# Altium PCB PCB1.PcbDoc
Units mil, origin at the board's own origin, x right, y up, seen from the top; angles counter-clockwise.
Board outline 5905.51 x 7874.02 mil, 2 copper layers (Top Layer, Bottom Layer); 186 components, 103 nets, 559 pads, 0 vias.
Unrouted connection lines stored in the file: 329.
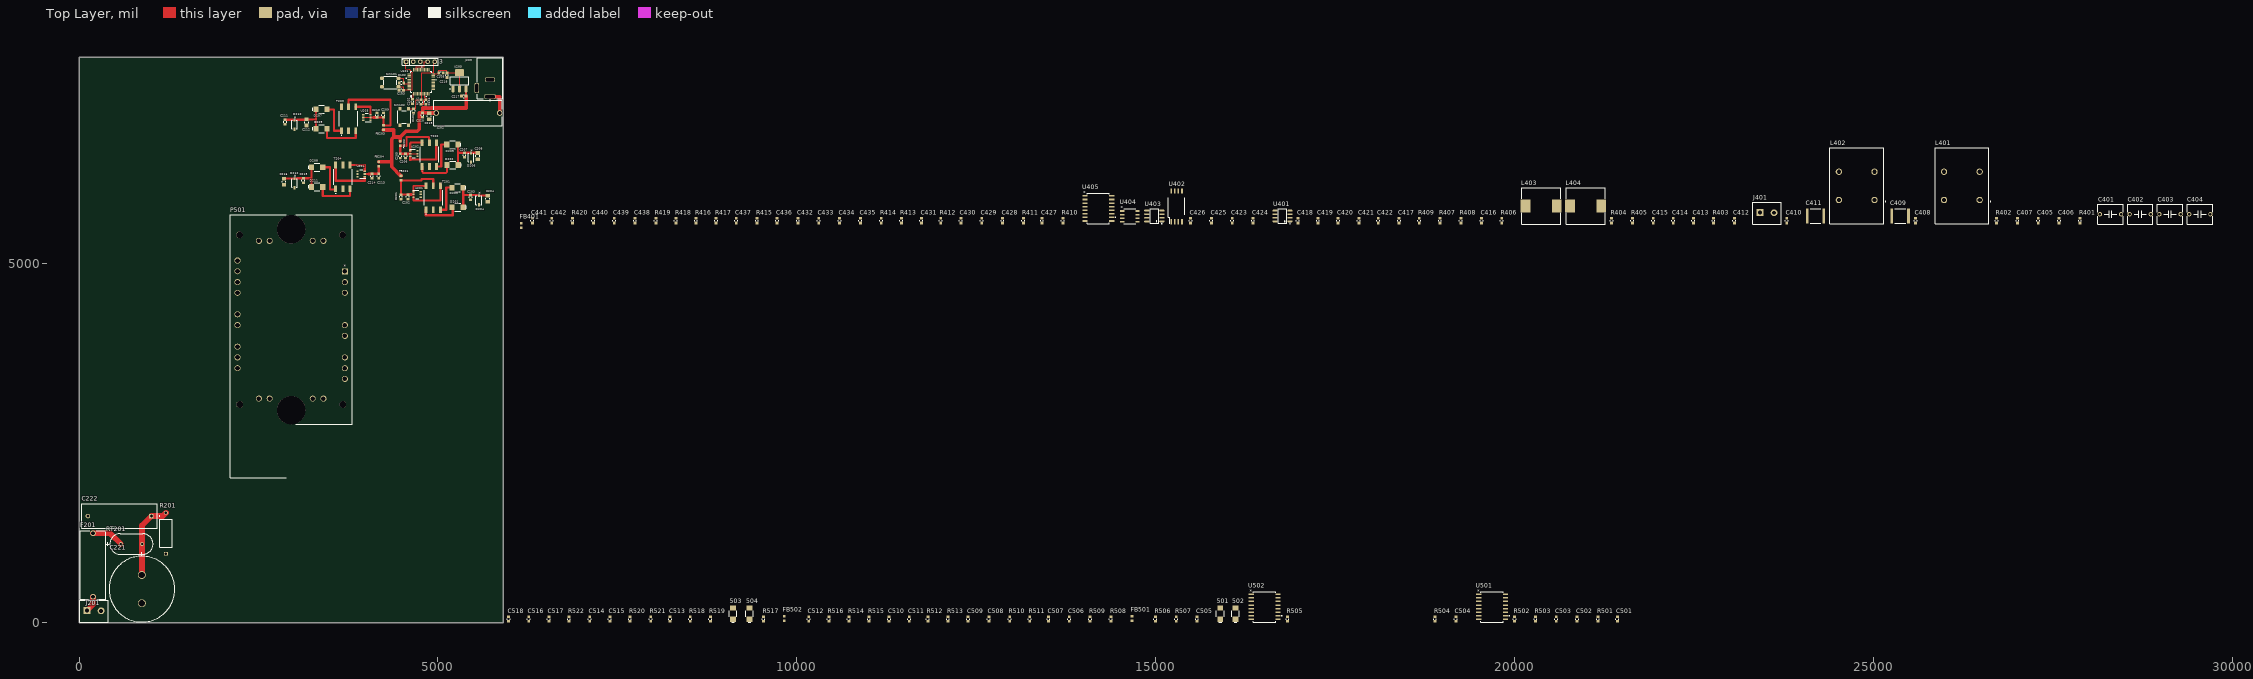
[diagram p0: Top Layer view]
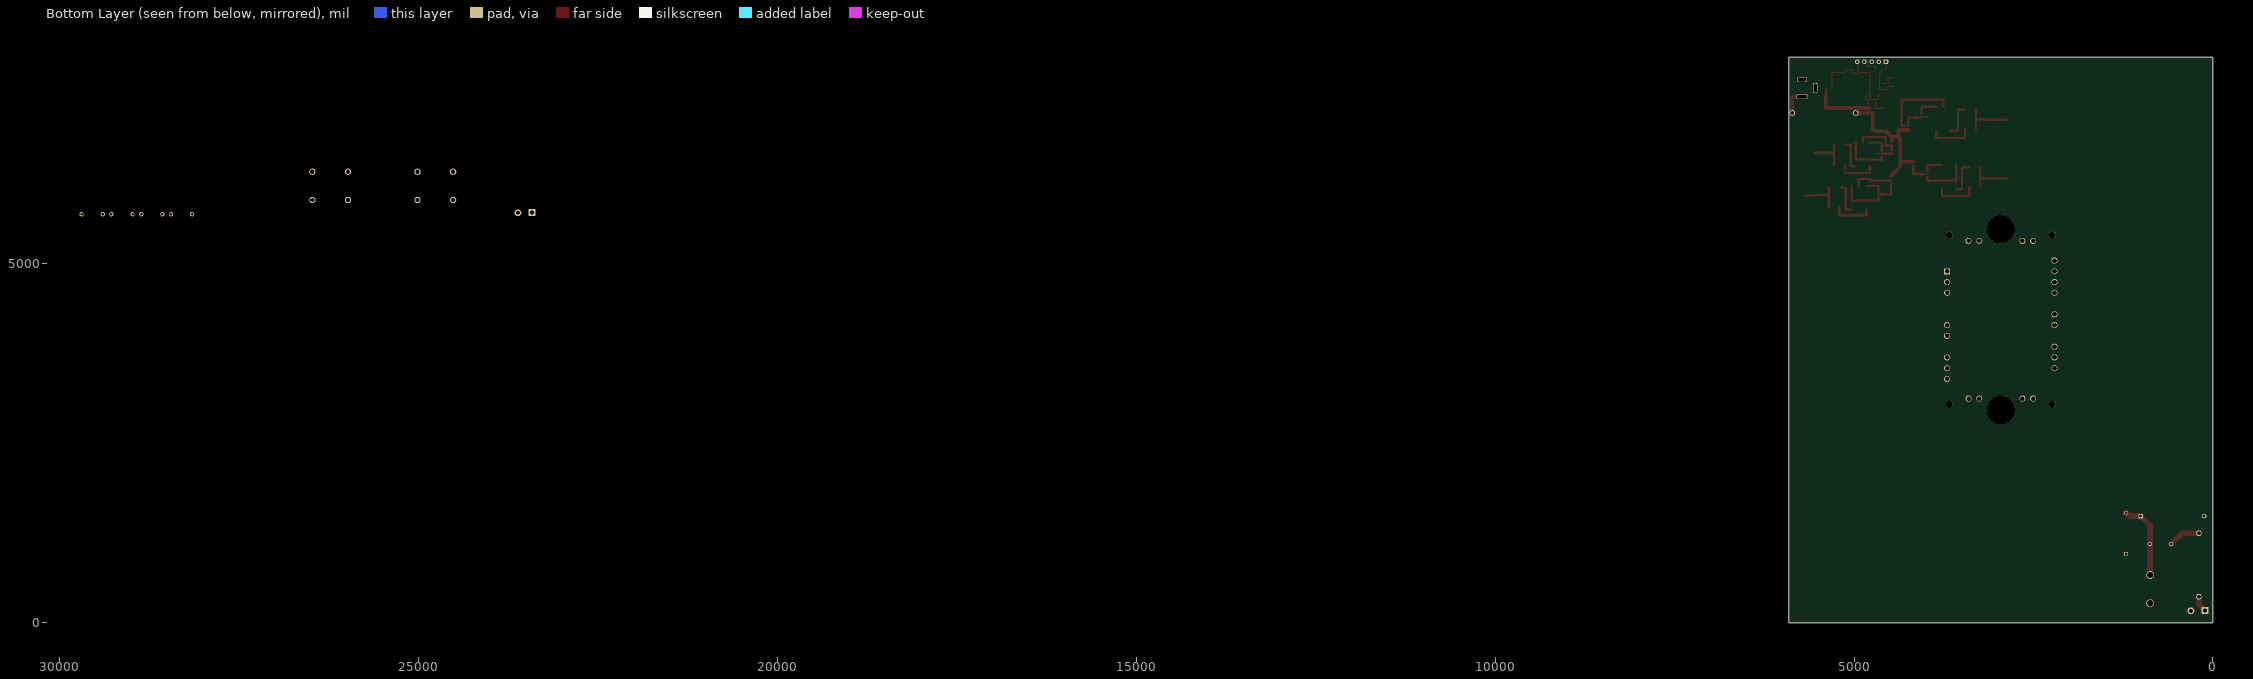
[diagram p1: Bottom Layer view, seen from below]

## Layer stack, top to bottom
Top Solder: solder mask 0.4, Solder Resist, Dk 3.5
Top Layer: signal copper 1.4
Dielectric 1: dielectric 12.6, FR-4, Dk 4.8
Bottom Layer: signal copper 1.4
Bottom Solder: solder mask 0.4, Solder Resist, Dk 3.5

## Board outline
5,0 5910.51,0 5910.51,7874.02 5,7874.02

## Design rules (kind name [scope] priority, off if disabled: settings)
Clearance [All] p1: gap=10 ignorepadtopadclearanceinfootprint=FALSE
PolygonConnect [All] p1: connectstyle=Relief reliefconductorwidth=10 reliefentries=4 polygonreliefangle="90 Angle" airgapwidth=10
RoutingVias [All] p1: holewidth=28 width=50 viastyle="Through Hole" minholewidth=28 minwidth=50 maxholewidth=28 maxwidth=50
SolderMaskExpansion [All] p1: expansion=0 istentingtop=FALSE
SupplyNets "Schematic Supply Nets_19" [InNet('3.3V')] p1: voltage=0.000
SupplyNets "Schematic Supply Nets_18" [InNet('18V_B_HS')] p2: voltage=0.000
SupplyNets "Schematic Supply Nets_17" [InNet('GND_EXT')] p3: voltage=0.000
SupplyNets "Schematic Supply Nets_16" [InNet('18V_A_LS')] p4: voltage=0.000
SupplyNets "Schematic Supply Nets_15" [InNet('GRID_GND_1')] p5: voltage=0.000
SupplyNets "Schematic Supply Nets_14" [InNet('GND_HV')] p6: voltage=0.000
SupplyNets "Schematic Supply Nets_12" [InNet('GND_A_LS')] p7: voltage=0.000
SupplyNets "Schematic Supply Nets_11" [InNet('GND_A_HS')] p8: voltage=0.000
SupplyNets "Schematic Supply Nets_10" [InNet('GND')] p9: voltage=0.000
SupplyNets "Schematic Supply Nets_9" [InNet('5v')] p10: voltage=0.000
SupplyNets "Schematic Supply Nets_8" [InNet('GND_B_HS')] p11: voltage=0.000
SupplyNets "Schematic Supply Nets_7" [InNet('GND_HS')] p12: voltage=0.000
SupplyNets "Schematic Supply Nets_6" [InNet('GND_LS')] p13: voltage=0.000
SupplyNets "Schematic Supply Nets_5" [InNet('18V_A_HS')] p14: voltage=0.000
SupplyNets "Schematic Supply Nets_4" [InNet('GND_B_LS')] p15: voltage=0.000
SupplyNets "Schematic Supply Nets_3" [InNet('18V_B_LS')] p16: voltage=0.000
SupplyNets "Schematic Supply Nets_2" [InNet('GND_SENSE')] p17: voltage=0.000
SupplyNets "Schematic Supply Nets_1" [InNet('DCLINK+_HV')] p18: voltage=0.000
SupplyNets "Schematic Supply Nets" [InNet('GRID_GND_2')] p19: voltage=0.000
Width [All] p1: maxlimit=100 minlimit=10 preferedwidth=10
30 further rules are at their usual default settings.

## Classes and differential pairs
component class U_400_POWER_STAGE: C401 C402 C403 C404 C405 C406 C407 C408 C409 C410 C411 C412 C413 C414 C415 C416 C417 C418 C419 C420 C421 C422 C423 C424 C425 C426 C427 C428 C429 C430 C431 C432 C433 C434 C435 C436 C437 C438 C439 C440 C441 C442 FB401 J401 L401 L402 L403 L404 R401 R402 R403 R404 R405 R406 R407 R408 R409 R410 R411 R412 R413 R414 R415 R416 R417 R418 R419 R420 U401 U402 U403 U404 U405
component class U_200_AUX_SUPPLIES: C201 C202 C203 C204 C205 C206 C207 C208 C209 C210 C211 C212 C213 C214 C215 C216 C217 C218 C219 C220 C221 C222 D201 D202 D203 D204 D205 D206 D207 D208 D209 D210 D211 D212 F201 FB201 FB202 FB203 FB204 J201 J202 J203 R201 RT201 T201 T202 T203 T204 U201 U202 U203 U204 U205
component class U_100_MCU: 3 C101 C102 C103 C104 C105 R101 R102 SW101 SW102 U101
component class H_BRIDGE_CORE: 501 502 503 504 C501 C502 C503 C504 C505 C506 C507 C508 C509 C510 C511 C512 C513 C514 C515 C516 C517 C518 FB501 FB502 P501 R501 R502 R503 R504 R505 R506 R507 R508 R509 R510 R511 R512 R513 R514 R515 R516 R517 R518 R519 R520 R521 R522 U501 U502

## Components (designator, comment, footprint, x,y, rotation, side; value= is the part's Value field where it differs from the comment)
3 "" H_5x1_TH_100mil 4755,7815 r0 top (schematic designator 101)
501 "40V 3A" SMA 15900,125 r90 top
502 "40V 3A" SMA 16110,125 r90 top
503 "40V 3A" SMA 9110,125 r90 top
504 "40V 3A" SMA 9340,125 r90 top
C101 "" 0603_cap 4660,7128.5 r270 top value=0.1uF
C102 "0.1uF" 0603_cap 4645,7258.5 r270 top
C103 "0.1uF" 0603_cap 4488.5,7415 r180 top
C104 "0.1uF" 0603_cap 4835,7255 r270 top
C105 "0.1uF" 0603_cap 5040,7655 r0 top
C201 "" 0603_cap 4485,5931.5 r270 top value=0.1uF
C202 "" 0603_cap 4580,5931.5 r270 top
C203 "" 0603_cap 5455,5925 r270 top
C204 "" 0805_cap 5695,5905 r270 top value=10uF
C205 "" 0603_cap 4475,6500 r270 top value=0.1uF
C206 "4.7 uF" 0603_cap 4550,6500 r270 top
C207 "4.7 uF" 0603_cap 5370,6515 r270 top
C208 "" 0805_cap 5555,6500 r270 top value=10uF
C209 "" 0603_cap 4240,7070 r90 top value=0.1uF
C210 "4.7 uF" 0603_cap 4150,7070 r90 top
C211 "" 0603_cap 2870,6975 r270 top
C212 "" 0805_cap 3170,6968.31 r270 top value=10uF
C213 "" 0603_cap 4175,6221.5 r270 top value=0.1uF
C214 "4.7 uF" 0603_cap 4080,6220 r270 top
C215 "4.7 uF" 0603_cap 3125,6160 r270 top
C216 "" 0805_cap 2855,6141.69 r270 top value=10uF
C217 "10uF 10V" 0603_cap 5360,7335 r180 top value=10uF
C218 "22uF 10V" 0603_cap 5125,7625 r270 top value=22uF
C219 "10uF 25V" 0805_cap 4880,7055 r270 top value=10uF
C220 "0.1uF" 0603_cap 4785,7070 r270 top
C221 "" CAP_MXC_22x30_RUB 875,466.85 r270 top value=330uF
C222 "" CAP_M26.5X8.5_22.5_1_KEM 565,1485 r180 top
C401 "2200uF" "Through Hole,P=7.5mm" 28300,5690 r0 top
C402 "2200uF" "Through Hole,P=7.5mm" 28715,5690 r0 top
C403 "2200uF" "Through Hole,P=7.5mm" 29130,5690 r0 top
C404 "2200uF" "Through Hole,P=7.5mm" 29545,5690 r0 top
C405 "2.2uF" 0603_cap 27295,5600 r90 top value=5.6pF
C406 "2.2uF" 0603_cap 27585,5600 r90 top value=5.6pF
C407 "0.1uF" 0603_cap 27005,5600 r90 top
C408 "120pF" 0603_cap 25585,5600 r90 top
C409 "1uF 50V" CAP_2220 25370,5665 r0 top value=1uF
C410 "0.1uF" 0603_cap 23790,5600 r90 top
C411 "" CAP_2220 24190,5665 r0 top value=2.2uF
C412 "120 pF" 0603_cap 23060,5600 r90 top
C413 "0.1uF" 0603_cap 22490,5600 r90 top
C414 "120 pF" 0603_cap 22210,5600 r90 top
C415 "0.1uF" 0603_cap 21930,5600 r90 top
C416 "1000 pF" 0603_cap 19540,5600 r90 top
C417 "" 0603_cap 18390,5600 r90 top value=1000pF
C418 "" 0603_cap 16980,5600 r90 top value=1nF
C419 "0.1uF" 0603_cap 17260,5600 r90 top
C420 "0.1uF" 0603_cap 17540,5600 r90 top
C421 "" 0603_cap 17830,5600 r90 top value=1nF
C422 "" 0603_cap 18100,5600 r90 top value=2.2uF
C423 "0.1uF" 0603_cap 16065,5600 r90 top
C424 "0.1uF" 0603_cap 16355,5600 r90 top
C425 "" 0603_cap 15775,5600 r90 top value=1nF
C426 "0.1uF" 0603_cap 15485,5600 r90 top
C427 "0.1uF" 0603_cap 13415,5600 r90 top
C428 "" 0603_cap 12865,5600 r90 top value=1nF
C429 "" 0603_cap 12575,5600 r90 top value=1nF
C430 "0.1uF" 0603_cap 12285,5600 r90 top
C431 "0.1uF" 0603_cap 11735,5600 r90 top
C432 "" 0603_cap 10015,5600 r90 top value=1nF
C433 "0.1uF" 0603_cap 10305,5600 r90 top
C434 "0.1uF" 0603_cap 10595,5600 r90 top
C435 "0.1uF" 0603_cap 10885,5600 r90 top
C436 "" 0603_cap 9725,5600 r90 top value=1nF
C437 "0.1uF" 0603_cap 9155,5600 r90 top
C438 "" 0603_cap 7745,5600 r90 top value=1nF
C439 "0.1uF" 0603_cap 7455,5600 r90 top
C440 "" 0603_cap 7165,5600 r90 top value=1nF
C441 "" 0603_cap 6315,5600 r90 top value=1nF
C442 "" 0603_cap 6585,5600 r90 top value=2.2uF
C501 "" 0603_cap 21430,50 r90 top value=0.1uF
C502 "" 0603_cap 20870,50 r90 top value=1nF
C503 "0.1uF" 0603_cap 20580,50 r90 top
C504 "" 0603_cap 19180,50 r90 top value=0.1uF
C505 "" 0603_cap 15575,50 r90 top value=1nF
C506 "220 pF" 0603_cap 13795,50 r90 top
C507 "220 pF" 0603_cap 13505,50 r90 top
C508 "220 pF" 0603_cap 12675,50 r90 top
C509 "220 pF" 0603_cap 12385,50 r90 top
C510 "220 pF" 0603_cap 11285,50 r90 top
C511 "220 pF" 0603_cap 11565,50 r90 top
C512 "" 0603_cap 10165,50 r90 top value=1nF
C513 "" 0603_cap 8235,50 r90 top value=0.1uF
C514 "" 0603_cap 7115,50 r90 top value=0.1uF
C515 "" 0603_cap 7395,50 r90 top value=0.1uF
C516 "220 pF" 0603_cap 6265,50 r90 top
C517 "1nF 50V" 0603_cap 6545,50 r90 top value=1nF
C518 "220 pF" 0603_cap 5985,50 r90 top
D201 "30V 3A" SMA 5275,5785 r180 top
D202 "30V 3A" SMA 5205,6375 r180 top
D203 "30V 3A" SMA 5270,6060 r180 top
D204 "Diodo - Zener 20 V" SOD-123_ONS 5570,5885 r270 top
D205 "30V 3A" SMA 5200,6660 r180 top
D206 "Diodo - Zener 20 V" SOD-123_ONS 5460,6480 r270 top
D207 "30V 3A" SMA 3377.64,7150 r0 top
D208 "30V 3A" SMA 3317.64,6345 r0 top
D209 "30V 3A" SMA 3377.36,6880 r0 top
D210 "Diodo - Zener 20 V" SOD-123_ONS 3000,6940 r270 top
D211 "30V 3A" SMA 3317.64,6070 r0 top
D212 "Diodo - Zener 20 V" SOD-123_ONS 3000,6125 r270 top
F201 "" FUSE_4628 195,802.91 r90 top
FB201 "" MH1608 4485,6191.5 r90 top
FB202 "FERRITE_BEAD_600_OHM" MH1608 4475,6675 r90 top
FB203 "" MH1608 4240,6895 r270 top
FB204 "" MH1608 4175,6390 r90 top
FB401 "" MH1608 6160,5535 r90 top
FB501 "" MH1608 14670,60 r90 top
FB502 "" MH1608 9825,60 r90 top
J201 "" CON_2x1_TH_5MM 208.43,160 r0 top
J202 "FUSE HLDR CARTRIDGE 250V 5A PCB" FUSE_4628 5417.09,7100 r180 top
J203 "PWR JACK 2.1mm" CON_POWER_BARREL_2.1MM_3CONN 5725,7446.89 r180 top
J401 "" CON_2x1_TH_5MM 23515,5705 r0 top
L401 "" PH9455405NL 26230,6085 r90 top
L402 "" PH9455405NL 24765,6085 r90 top
L403 "200uH" IND-SMD_L13.7-W12.8_FCH1365 20370,5805 r0 top value=100uH
L404 "200uH" IND-SMD_L13.7-W12.8_FCH1365 20990,5805 r0 top value=100uH
P501 "" SP3F_MCH 2955,4220 r0 top
R101 "" 0603_res 4765,7253.5 r270 top value=10k
R102 "10k 1/10W" 0603_res 4490,7520 r0 top value=10k
R201 "" YAG_FMP200_YAG 1210,1245 r90 top value=100k
R401 "300K" 0603_res 27875,5600 r90 top
R402 "300K" 0603_res 26715,5600 r90 top
R403 "300K" 0603_res 22770,5600 r90 top
R404 "" 0603_res 21350,5600 r90 top value=1M
R405 "" 0603_res 21640,5600 r90 top value=1M
R406 "" 0603_res 19820,5600 r90 top value=10k
R407 "" 0603_res 18960,5600 r90 top value=1M
R408 "" 0603_res 19250,5600 r90 top value=1M
R409 "" 0603_res 18670,5600 r90 top value=10k
R410 "" 0603_res 13705,5600 r90 top value=10k
R411 "20k" 0603_res 13155,5600 r90 top
R412 "" 0603_res 12005,5600 r90 top value=10k
R413 "20k" 0603_res 11455,5600 r90 top
R414 "" 0603_res 11175,5600 r90 top value=84.5
R415 "" 0603_res 9445,5600 r90 top value=84.5
R416 "" 0603_res 8595,5600 r90 top value=49k9
R417 "" 0603_res 8875,5600 r90 top value=10k
R418 "20k" 0603_res 8315,5600 r90 top
R419 "" 0603_res 8035,5600 r90 top value=84R5
R420 "" 0603_res 6875,5600 r90 top value=84R5
R501 "18K" 0603_res 21160,50 r90 top
R502 "" 0603_res 20000,50 r90 top value=5.1
R503 "" 0603_res 20290,50 r90 top value=5.1
R504 "" 0603_res 18890,50 r90 top value=10k
R505 "20k" 0603_res 16835,50 r90 top
R506 "1.0" 0603_res 14995,50 r90 top
R507 "1.0" 0603_res 15285,50 r90 top
R508 "" 0603_res 14375,50 r90 top value=10k
R509 "" 0603_res 14085,50 r90 top value=10k
R510 "" 0603_res 12965,50 r90 top value=10k
R511 "" 0603_res 13245,50 r90 top value=10k
R512 "" 0603_res 11825,50 r90 top value=10k
R513 "" 0603_res 12105,50 r90 top value=10k
R514 "" 0603_res 10725,50 r90 top value=5.1
R515 "" 0603_res 11005,50 r90 top value=5.1
R516 "20k" 0603_res 10445,50 r90 top
R517 "" 0603_res 9535,50 r90 top value=10k
R518 "1.0" 0603_res 8515,50 r90 top
R519 "1.0" 0603_res 8795,50 r90 top
R520 "" 0603_res 7675,50 r90 top value=10k
R521 "" 0603_res 7965,50 r90 top value=10k
R522 "18K" 0603_res 6825,50 r90 top
RT201 "" RES_37S509M_TDK 730,1095 r0 top
SW101 "" Sw_PUSH_4.5x4.5x5mm 4335,7525 r180 top
SW102 "" Sw_PUSH_4.5x4.5x5mm 4530,7045 r270 top
T201 "TRANSFORMER_SMPS_XFMR_FWD" PAD002-T764113S 4935,5878.19 r0 top
T202 "TRANSFORMER_SMPS_XFMR_FWD" PAD002-T764113S 4880,6480 r0 top
T203 "TRANSFORMER_SMPS_XFMR_FWD" PAD002-T764113S 3755,6980 r0 top
T204 "TRANSFORMER_SMPS_XFMR_FWD" PAD002-T764113S 3675,6170 r0 top
U101 "" LQFP48_7x7mm 4765,7535 r90 top
U201 "" "IC TRANSFORMER DRIVER 6SOT-23" 4710,5965 r0 top
U202 "" "IC TRANSFORMER DRIVER 6SOT-23" 4665,6535 r0 top
U203 "" "IC TRANSFORMER DRIVER 6SOT-23" 4009.8,7037.4 r180 top
U204 "" "IC TRANSFORMER DRIVER 6SOT-23" 3929.8,6250 r180 top
U205 "AMS1117-3.3" SOT_223 5300,7549.17 r90 top
U401 "" SOP-8_L4.9 16765,5665 r0 top
U402 "AMC1311BDWVR" DWV0008A 15290,5800 r90 top
U403 "" SOP-8_L4.9 14980,5665 r0 top
U404 "" SOICN8_LC_ALM 14640,5660 r0 top
U405 "AMC3330QDWERQ1" SOIC16_DWE_TEX 14200,5770 r0 top
U501 "" UCC21540DW 19675,230 r0 top
U502 "" UCC21540DW 16505,230 r0 top

## Footprints (in the part's own frame and the unit in brackets; to place one, negate y for a bottom-side part, rotate by r counter-clockwise, add the part's x,y. Pads: shape width x height; smd on the part's side, far side on the other; paste and mask are expansions set on the pad)
0603_cap [mil]
  rect 37x40 smd: 1(-31.5,0) 2(31.5,0)
  silkscreen extent -7,-20 8,20, body extent -31,-17 31,17, height 34
0603_res [mil] "1608 Metric / 20190225 / C-A.Serna.A"
  rect 37x40 smd: 1(-31.5,0) 2(31.5,0)
  silkscreen extent -7,-20 8,20, body extent -31,-16 32,16, height 12
0805_cap [mm]
  rect 1.3x1.5 smd: 1(-1.1,0) 2(1.1,0)
  silkscreen extent -0.2,-0.7 0.2,0.7, body extent -1.13,-0.7 1.07,0.7, height 1
CAP_2220 [mm]
  rrect25% 0.96x5.41 smd paste+0 mask+0.102: 1(-2.925,0) 2(2.925,0)
  silkscreen extent -1.9,-2.5 1.91,2.5, body extent -2.85,-2.5 2.85,2.5, height 2.8
CAP_M26.5X8.5_22.5_1_KEM [mil]
  rect 63x63 hole 43 paste-99999 mask+0: 1(-442.91,0)
  round 63 hole 43 paste-99999 mask+0: 2(442.91,0)
  silkscreen extent -560,-172 527,172, body extent -522,-167 522,167, height 589
CAP_MXC_22x30_RUB [mil]
  round 109 hole 89 paste-99999 mask+0: 1(-196.85,0) 2(196.85,0)
  silkscreen extent -513,-458 458,458, body extent -453,-453 454,453, height 1261
CON_2x1_TH_5MM [mm]
  rect 2.4x2.4 hole 1.4: 1(-2.5,0.254)
  round 2.4 hole 1.4: 2(2.5,0.127)
  silkscreen extent -5,-3.9 5,3.9, body extent -5,-3.9 5,3.9, height 10.2
CON_POWER_BARREL_2.1MM_3CONN [mm]
  rrect50% 4x1.5 hole 1.016 slot 3.5 at 0 deg: 1(0,3)
  rrect50% 3.5x1.5 hole 1.016 slot 3 at 0 deg: 2(0,-3)
  rrect50% 1.5x3.5 hole 1.016 slot 3 at 90 deg: 3(4.7,0)
  silkscreen extent -4.5,-10.7 4.5,4.42, body extent -4.5,-10.7 4.9,3.7, height 11
DWV0008A [mm]
  rect 1.8x0.6 smd paste+0 mask+0.051: 1(-5.45,1.905) 2(-5.45,0.635) 3(-5.45,-0.635) 4(-5.45,-1.905) 5(5.45,-1.905) 6(5.45,-0.635) 7(5.45,0.635) 8(5.45,1.905)
  silkscreen extent -6.25,-2.95 2.98,2.95, body extent -5.77,-2.93 5.77,2.93, height 2.67
FUSE_4628 [mm]
  round 1.98 hole 1.32: 1(-11.25,0) 2(11.25,0)
  silkscreen extent -12.1,-4.49 12.1,4.49, body extent -12.1,-4.5 12.1,4.5, height 11.99
H_5x1_TH_100mil [mil]
  rrect50% 65x65 hole 35: 1(-200,0)
  round 65 hole 35: 2(-100,0) 3(0,0) 4(100,0) 5(200,0)
  silkscreen extent -250,-50 250,50, body extent -250,-49 250,49, height 335
"IC TRANSFORMER DRIVER 6SOT-23" [mm]
  rect 0.8x0.55 smd paste+0 mask+0.051: 1(-1.275,0.95) 2(-1.275,0) 3(-1.275,-0.95) 4(1.275,-0.95) 5(1.275,0) 6(1.275,0.95)
  silkscreen extent -1.55,-1.53 0.55,1.53, body extent -1.44,-1.42 1.36,1.48, height 1.2
IND-SMD_L13.7-W12.8_FCH1365 [mm]
  rect 3.5x4.5 smd: 1(-5.5,0) 2(5.5,0)
  silkscreen extent -6.85,-6.4 6.85,6.4
LQFP48_7x7mm [mil]
  rect 47x12 smd paste+0 mask+1.8: 1(-167.32,108.27) 2(-167.32,88.58) 3(-167.32,68.9) 4(-167.32,49.21) 5(-167.32,29.53) 6(-167.32,9.84) 7(-167.32,-9.84) 8(-167.32,-29.53) 9(-167.32,-49.21) 10(-167.32,-68.9) 11(-167.32,-88.58) 12(-167.32,-108.27) 25(167.32,-108.27) 26(167.32,-88.58) 27(167.32,-68.9) 28(167.32,-49.21) 29(167.32,-29.53) 30(167.32,-9.84) 31(167.32,9.84) 32(167.32,29.53) 33(167.32,49.21) 34(167.32,68.9) 35(167.32,88.58) 36(167.32,108.27)
  rect 12x47 smd paste+0 mask+1.8: 13(-108.27,-167.32) 14(-88.58,-167.32) 15(-68.9,-167.32) 16(-49.21,-167.32) 17(-29.53,-167.32) 18(-9.84,-167.32) 19(9.84,-167.32) 20(29.53,-167.32) 21(49.21,-167.32) 22(68.9,-167.32) 23(88.58,-167.32) 24(108.27,-167.32) 37(108.27,167.32) 38(88.58,167.32) 39(68.9,167.32) 40(49.21,167.32) 41(29.53,167.32) 42(9.84,167.32) 43(-9.84,167.32) 44(-29.53,167.32) 45(-49.21,167.32) 46(-68.9,167.32) 47(-88.58,167.32) 48(-108.27,167.32)
  silkscreen extent -215,-211 211,211, body extent -177,-177 177,177, height 63
MH1608 [mil]
  rect 34x39 smd paste+0 mask+0: 1(-31.5,0) 2(31.5,0)
  body extent -34,-19 34,19, height 39
PAD002-T764113S [mm]
  rect 1.02x2.375 smd: 1(-2.54,-3.221) 2(0,-3.221) 3(2.54,-3.221) 4(2.54,5.253) 5(0,5.253) 6(-2.54,5.253)
  silkscreen extent -3.27,-4.88 3.27,3.72, body extent -3.34,-3.95 3.21,5.9, height 4.5
PH9455405NL [mm]
  round 2.25 hole 1.5: 1(-5,-6.3) 2(5,-6.3) 3(5,6.3) 4(-5,6.3)
  silkscreen extent -13.5,-10.3 13.5,9.5, body extent -12.72,-8.95 12.88,9.05, height 23.69
RES_37S509M_TDK [mil]
  round 53 hole 33 paste-99999 mask+0: 1(-147.64,0) 2(147.64,0)
  silkscreen extent -356,-143 300,143, body extent -296,-138 296,138, height 591
SMA [mm]
  rect 1.8x2 smd: 1(-1.965,0) 2(1.965,0)
  silkscreen extent -3.05,-1.4 0.98,1.4, body extent -2.64,-1.4 2.64,1.4, height 2.34
SOD-123_ONS [mil]
  rect 48x30 smd paste+0 mask+0: 1(-66,0) 2(66,0)
  silkscreen extent -61,-41 61,41, body extent -76,-36 76,36, height 53
SOIC16_DWE_TEX [mil]
  rect 73.78x21.97 smd paste+0 mask+0: 1(-186.39,175) 2(-186.39,125) 3(-186.39,75) 4(-186.39,25) 5(-186.39,-25) 6(-186.39,-75) 7(-186.39,-125) 8(-186.39,-175) 9(186.39,-175) 10(186.39,-125) 11(186.39,-75) 12(186.39,-25) 13(186.39,25) 14(186.39,75) 15(186.39,125) 16(186.39,175)
  silkscreen extent -154,-212 243,212, body extent -210,-206 209,207, height 104
SOICN8_LC_ALM [mil]
  rect 57.5x22 smd paste+0 mask+0: 1(-107.25,75) 2(-107.25,25) 3(-107.25,-25) 4(-107.25,-75) 5(107.25,-75) 6(107.25,-25) 7(107.25,25) 8(107.25,75)
  silkscreen extent -84,-104 84,104, body extent -122,-99 122,99, height 69
SOP-8_L4.9 [mm]
  oval 1.865x0.63 smd: 1(2.667,-1.905) 2(2.667,-0.635) 3(2.667,0.635) 4(2.667,1.905) 5(-2.667,1.905) 6(-2.667,0.635) 7(-2.667,-0.635) 8(-2.667,-1.905)
  silkscreen extent -1.52,-2.82 2.83,2.58, body extent -3.6,-2.22 3.6,2.22
SOT_223 [mm]
  rrect50% 2.4x1 smd: 1(-2.9,2.3) 2(-2.9,0) 3(-2.9,-2.3)
  rrect30% 2.4x3.3 smd: 4(2.9,0)
  silkscreen extent -3.02,-3.35 1.4,3.47, body extent -1.86,-3.35 1.86,3.35, height 1.8
SP3F_MCH [mil]
  rect 83x83 hole 63 paste-99999 mask-41.5: 2(748.03,674.78)
  round 83 hole 63 paste-99999 mask+0: 3(748.03,524.78) 4(748.03,374.78) 7(748.03,-75.22) 8(748.03,-225.22) 10(748.03,-525.22) 11(748.03,-675.22) 12(748.03,-825.22) 13(450,-1098.45) 14(300,-1098.45) 15(-300,-1098.45) 16(-450,-1098.45) 18(-748.03,-675.22) 19(-748.03,-525.22) 20(-748.03,-375.22) 22(-748.03,-75.22) 23(-748.03,74.78) 25(-748.03,374.78) 26(-748.03,524.78) 27(-748.03,674.78) 28(-748.03,824.78) 29(-450,1098.4) 30(-300,1098.4) 31(300,1098.4) 32(450,1098.4)
  round 93 hole 93 unplated paste-99999 mask+0: M1(-718.5,1181.1) M2(718.5,1181.1) M3(-718.5,-1181.1) M4(718.5,-1181.1)
  round 394 hole 394 unplated paste-99999 mask+0: M5(0,1259.84) M6(0,-1259.84)
  silkscreen extent -852,-2200 852,1460
Sw_PUSH_4.5x4.5x5mm [mm]
  rrect50% 1.35x1.1 smd: 1(-2.925,1.5) 1(2.925,1.5) 2(-2.925,-1.5) 2(2.925,-1.5)
  silkscreen extent -2.25,-2.25 2.25,2.25, body extent -2.25,-2.25 2.25,2.25, height 5
"Through Hole,P=7.5mm" [mil]
  round 60 hole 36 paste-99999 mask+1.97: 1(-147.64,0) 2(147.64,0)
  silkscreen extent -177,-138 177,138
UCC21540DW [mil]
  rect 74x22 smd paste+0 mask+0: 1(-176.5,165) 2(-176.5,115) 3(-176.5,65) 4(-176.5,15) 5(-176.5,-35) 6(-176.5,-85) 7(-176.5,-135) 8(-176.5,-185) 9(196.5,-185) 10(196.5,-135) 11(196.5,-85) 12(196.5,-35) 13(196.5,15) 14(196.5,65) 15(196.5,115) 16(196.5,165)
  silkscreen extent -144,-222 254,202, body extent -200,-216 219,197, height 104
YAG_FMP200_YAG [mil]
  rect 54x54 hole 34 paste-99999 mask+0: 1(-285,0)
  round 54 hole 34 paste-99999 mask+0: 2(285,0)
  silkscreen extent -192,-88 192,88, body extent -297,-83 297,83, height 166

## Part data
3: library part H_Male_5x1_TH_100mil, "H_Male_5x1_TH_100mil", ComponentLink1Description=LCSC
501 502 503 504 D201 D202 D203 D205 D207 D208 D209 D211: library part D_Schottky_40V_3A_SMA, "40V Independent 3A 550mV@3A SMA Schottky Diodes ROHS", Manufacturer=TDSEMIC, Manufacturer Part Number=SS34-TD, Supplier Part Number 1=C46550832, ComponentLink1Description=LCSC, ComponentLink1URL=https://lcsc.com/product-detail/Schottky-Diodes_TDSEMIC-SS34-TD_C46550832.html, Supplier 1=LCSC
C101 C201 C205 C209 C213 C501 C504 C513 C514 C515: library part Cap_0.1uF_0603_50V, "50V 100nF Y5V -20%~+80% 0603 Multilayer Ceramic Capacitors MLCC - SMD/SMT ROHS", Manufacturer="Walsin Tech Corp", Manufacturer Part Number=0603F104Z500CT, Supplier Part Number 1=C83060, ComponentLink1Description=LCSC, ComponentLink1URL=https://www.lcsc.com/product-detail/Multilayer-Ceramic-Capacitors-MLCC-SMD-SMT_Walsin-Tech-Corp-0603F104Z500CT_C83060.html, Supplier 1=LCSC
C102 C103 C104 C105 C220 C407 C410 C413 C415 C419 C420 C423 C424 C426 C427 C430 C431 C433 C434 C435 C437 C439 C503: library part Cap_0.1uF_0603_50V, "CAP CER 100nF 50V Y5V 0603", Manufacturer=FOJAN, Manufacturer Part Number=FCC0603F104Z500CT, Supplier Part Number 1=C5137469, ComponentLink1Description=LCSC, ComponentLink1URL=https://www.lcsc.com/product-detail/C5137469.html?s_z=n_q_0603F104Z500CT&spm=wm.fly.bg.2.xh&lcsc_vid=Q1QLUFRRTgRfUVdSQAVWUgVQT1JdUlwFE1MMV1EEQgAxVlNRTlhfUFBXRlRXUTsOAxUeFF5JWBYZEEoKFBINSQcJGk4eFQsCAgIaSgADAwAHC0slTldfUldfWQkaCgg%3D, Supplier 1=LCSC
C202 C203 C206 C207 C210 C211 C214 C215: library part CAP_4.7UF_25V_0603, "CAP CER 4.7uF 25V X5R 0603", Manufacturer=muRata, Manufacturer Part Number=GRM188R61E475KE11D, Supplier Part Number 1=C90057, ComponentLink1Description=LCSC, ComponentLink1URL=https://www.lcsc.com/product-detail/C90057.html?s_z=n_q_GRM188R61E475KE11D&spm=wm.fly.bg.0.stp&lcsc_vid=RQNdVwAEE1JbUldTTgAIXlFWQ1NYXlYETgNXUlBVFQMxVlNRTlVXX11TRlZZXjsOAxUeFF5JWBYZEEoKFBINSQcJGk4%3D, Supplier 1=LCSC
C204 C208 C212 C216 C219: library part Cap_10uF_0805_25V_, "25V 10uF X5R ±10% 0805 Multilayer Ceramic Capacitors MLCC - SMD/SMT ROHS", Manufacturer="Samsung Electro-Mechanics", Manufacturer Part Number=CL21A106KAYNNNE, Supplier Part Number 1=C15850, ComponentLink1Description=LCSC, ComponentLink1URL=https://lcsc.com/product-detail/Multilayer-Ceramic-Capacitors-MLCC-SMD-SMT_Samsung-Electro-Mechanics-CL21A106KAYNNNE_C15850.html, Supplier 1=LCSC
C217: library part Cap_10uF_0603_10V, "10V 10uF X5R ±10% 0603 Multilayer Ceramic Capacitors MLCC - SMD/SMT ROHS", Manufacturer=CCTC, Manufacturer Part Number=TCC0603X5R106K100CT, Supplier Part Number 1=C380314, ComponentLink1Description=LCSC, ComponentLink1URL=https://www.lcsc.com/product-detail/Multilayer-Ceramic-Capacitors-MLCC-SMD-SMT_CCTC-TCC0603X5R106K100CT_C380314.html, Supplier 1=LCSC
C218: library part Cap_22uF_0603_10V, "10V 22uF X5R ±20% 0603 Multilayer Ceramic Capacitors MLCC - SMD/SMT ROHS", Manufacturer=HRE, Manufacturer Part Number=CGA0603X5R226M100JT, Supplier Part Number 1=C6119863, ComponentLink1Description=LCSC, ComponentLink1URL=https://lcsc.com/product-detail/Multilayer-Ceramic-Capacitors-MLCC-SMD-SMT_HRE-CGA0603X5R226M100JT_C6119863.html, Supplier 1=LCSC
C221: library part CAP_ALUM_330UF_250V, "330 µF 250 V Aluminum Electrolytic Capacitors Radial, Can - Snap-In 3000 Hrs @ 105°C", Manufacturer=Rubycon, Manufacturer Part Number=250MXG330MEFCSN22X30, Supplier Part Number 1=C239294, ComponentLink1Description=LCSC, ComponentLink1URL=https://www.lcsc.com/product-detail/C239294.html?s_z=n_q_250MXG330MEFCSN22X30, Supplier 1=LCSC